# Altium PCB PCBA-2075-01.PcbDoc (part 1 of 2) (continued)
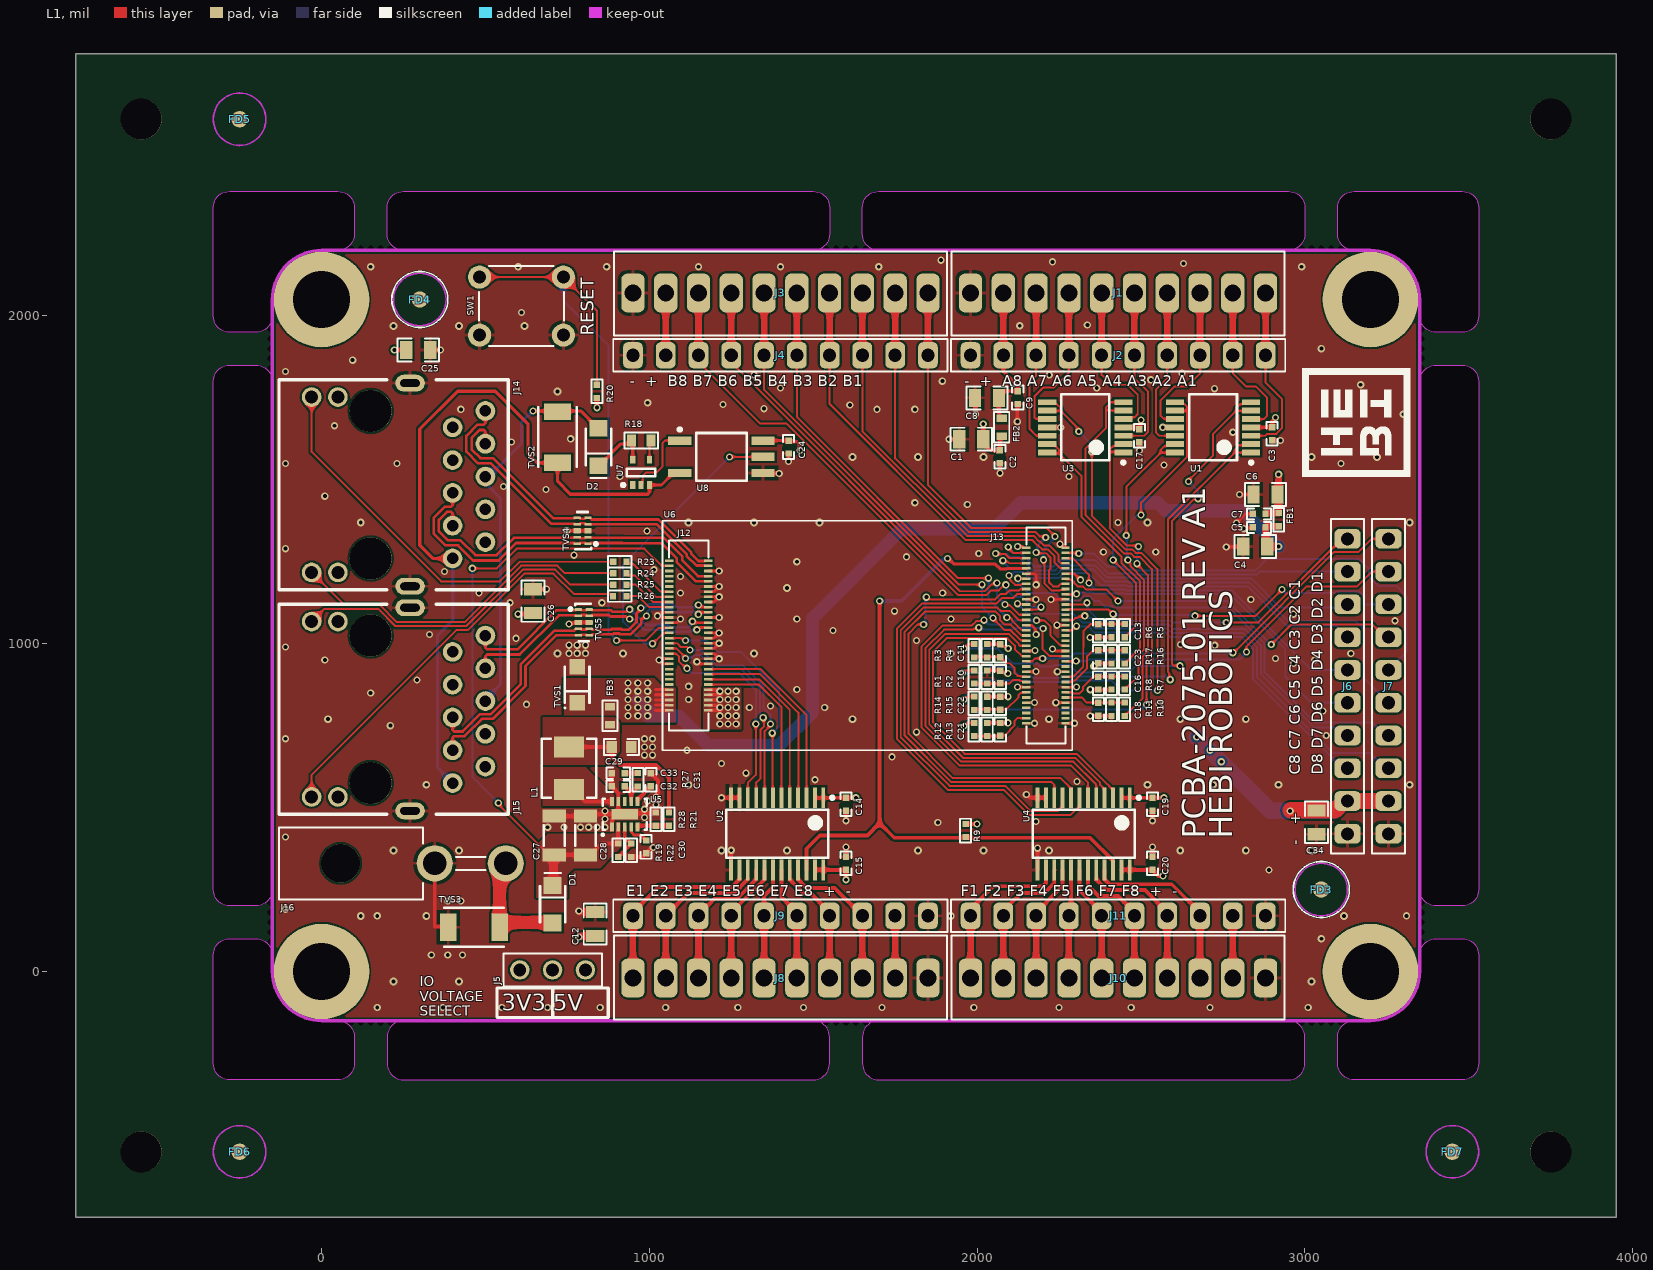
[diagram p0: L1 view]
## Components (designator, comment, footprint, x,y, rotation, side; value= is the part's Value field where it differs from the comment) (continued)
R9 "R-4.7k-1%-0.063w-0402" R0402 1965,430 r270 top
R10 "R-3.3k-0.1%-0.063w-0402" R0402 2450,800 r90 top
R11 "R-4.7k-0.1%-0.063w-0402" R0402 2410,800 r90 top
R12 "R-3.3k-0.1%-0.063w-0402" R0402 1990.63,738.39 r270 top
R13 "R-4.7k-0.1%-0.063w-0402" R0402 2030.63,738.39 r270 top
R14 "R-3.3k-0.1%-0.063w-0402" R0402 1990.63,818.39 r270 top
R15 "R-4.7k-0.1%-0.063w-0402" R0402 2030.63,818.21 r270 top
R16 "R-3.3k-0.1%-0.063w-0402" R0402 2450,960 r90 top
R17 "R-4.7k-0.1%-0.063w-0402" R0402 2410,960 r90 top
R18 "R-220-1%-0.25w-0603" R0603 975,1620 r180 top
R19 "R-3.3m-1%-0.063w-0402" R0402 905,370 r90 top
R20 "R-10k-1%-0.063w-0402" R0402 840,1770 r270 top
R21 "R-82k-1%-0.063w-0402" R0402 1060,465 r90 top
R22 "R-470k-1%-0.063w-0402" R0402 945,370 r270 top
R23 "R-470-1%-0.063w-0402" R0402 910,1250 r180 top
R24 "R-470-1%-0.063w-0402" R0402 910,1215 r180 top
R25 "R-470-1%-0.063w-0402" R0402 910,1180 r180 top
R26 "R-470-1%-0.063w-0402" R0402 909.82,1145 r180 top
R27 "R-11.8k-1%-0.063w-0402" R0402 965,585 r270 top
R28 "R-18k-1%-0.063w-0402" R0402 1020,465 r270 top
ST1 "9774030960R" 9774030960R 3200,2050 r180 bottom
ST2 "9774030960R" 9774030960R 0,0 r180 bottom
ST3 "9774030960R" 9774030960R 3200,0 r180 bottom
ST4 "9774030960R" 9774030960R 0,2050 r180 bottom
SW1 "222ADVBA" 222ADVBA 610,2030 r0 top locked
TVS1 "PTVS5V0S1UR,115" SOD-123W_NXP 780,875 r90 top
TVS2 "SMAJ51CA" SMA_BI_BOURNS 720,1630 r270 top
TVS3 "SMAJ58CA" SMA_BI_BOURNS 465,135 r0 top
TVS4 "DT1140-04LP-7" USON10_TI 796.44,1344.69 r180 top
TVS5 "DT1140-04LP-7" USON10_TI 800,1065 r0 top
U1 "TSV324IPT" TSSOP14_ST 2720,1660 r180 top
U2 "SN74LVC8T245PWR" PW_TSSOP_24_TI 1390,420 r270 top
U3 "TSV324IPT" TSSOP14_ST 2330,1660 r180 top
U4 "SN74LVC8T245PWR" PW_TSSOP_24_TI 2325,420 r270 top
U5 "MAX17502GATB+" 10_TDFN_MAXIM 925,480 r90 top
U6 "IO-MICRO" IO-MICRO-Footprint-1 1665,1025 r0 top locked
U7 "PSSI2021SAY,115" PSSI2021SAY,115 975,1522.5 r90 top
U8 "ACPL-M21L-500E" SOT125P700X260-5N 1220,1570 r0 top

## Footprints (in the part's own frame and the unit in brackets; to place one, negate y for a bottom-side part, rotate by r counter-clockwise, add the part's x,y. Pads: shape width x height; smd on the part's side, far side on the other; paste and mask are expansions set on the pad)
10_TDFN_MAXIM [mm] "10 TDFN from Maxim MAX17502"
  rect 0.7x0.3 smd paste-0.025: 1(-0.99,1) 2(-0.99,0.5) 3(-0.99,0) 4(-0.99,-0.5) 5(-0.99,-1) 6(0.99,-1) 7(0.99,-0.5) 8(0.99,0) 9(0.99,0.5) 10(0.99,1)
  rect 0.8x2.08 smd paste-0.025: 11(0,0)
  silkscreen extent -1.65,-1.7 1.2,1.75, body extent -1.05,-1.55 1.05,1.55, height 0.8
39-30-1020 [mm] "Molex Minifit Jr 2 pin socket, right angle"
  round 3 hole 3 unplated: 0(0,-6.4)
  round 2.8 hole 1.8: 1(0,0.9) 2(0,6.4)
  silkscreen extent -2.79,-11.18 2.79,4.83, body extent -2.7,-13.01 3.1,6.93, height 11.4
222ADVBA [mm] "222ADVBA from CTS"
  round 1.8 hole 1: 1(-3.25,2.25) 1(3.25,2.25) 2(-3.25,-2.25) 2(3.25,-2.25)
  silkscreen extent -3.3,-3.1 3.3,3.1, body extent -3.25,-3 3.25,3, height 4.3
9774030960R [mm] "3mm SMD Spacer from Wurth"
  round 7.4 hole 4.4: 1(0,0)
  silkscreen extent -3.9,-3.9 3.9,3.9, body extent -3,-3 2.99,3, height 3.03
ARJM11C7-114-BA-EW2-Footprint-1 [mil]
  round 128 hole 128 unplated: 0(-225,0) 0(225,0)
  round 60 hole 35: 1(225,250) 2(175,350) 3(125,250) 4(75,350) 5(25,250) 6(-25,350) 7(-75,250) 8(-125,350) 9(-175,250) 10(-225,350)
  round 60 hole 40: L1(-267.5,-100) L2(-267.5,-180) L3(267.5,-100) L4(267.5,-180)
  oval 51.18x90.55 hole 23.62 slot 59.06 at 90 deg: SHIELD(-310,120) SHIELD(310,120)
  silkscreen extent -320,-280 320,420, body extent -372,-426 372,426, height 604
C0402 [mm] "Generic 0402 Capacitor"
  rect 0.5x0.5 smd: 1(-0.5,0) 2(0.5,0)
  silkscreen extent -0.91,-0.43 0.91,0.43, body extent -0.5,-0.25 0.5,0.25, height 0.55
C0603 [mm] "Generic 0603 Capacitor"
  rect 0.8x0.9 smd: 1(-0.75,0) 2(0.75,0)
  silkscreen extent -1.35,-0.64 1.35,0.64, body extent -0.8,-0.4 0.8,0.4, height 0.9
C0805 [mm] "Generic 0805 Capacitor"
  rect 0.95x1.4 smd: 1(-0.925,0) 2(0.925,0)
  silkscreen extent -1.6,-0.89 1.6,0.89, body extent -1,-0.63 1,0.63, height 1.4
C1206 [mm] "Generic 1206 Capacitor"
  rect 1x1.8 smd: 1(-1.5,0) 2(1.5,0)
  silkscreen extent -0.77,-0.8 0.77,0.8, body extent -1.6,-0.8 1.6,0.8, height 1.8
DF40HC(3.0)-60DS-0.4V(51) [mm] "DF40HC(3.0)-60DS-0.4V(51)"
  rect 0.203x0.65 smd paste+0 mask+0: 1(5.8,-1.515) 2(5.8,1.515) 3(5.4,-1.515) 4(5.4,1.515) 5(5,-1.515) 6(5,1.515) 7(4.6,-1.515) 8(4.6,1.515) 9(4.2,-1.515) 10(4.2,1.515) 11(3.8,-1.515) 12(3.8,1.515) 13(3.4,-1.515) 14(3.4,1.515) 15(3,-1.515) 16(3,1.515) 17(2.6,-1.515) 18(2.6,1.515) 19(2.2,-1.515) 20(2.2,1.515) 21(1.8,-1.515) 22(1.8,1.515) 23(1.4,-1.515) 24(1.4,1.515) 25(1,-1.515) 26(1,1.515) 27(0.6,-1.515) 28(0.6,1.515) 29(0.2,-1.515) 30(0.2,1.515) 31(-0.2,-1.515) 32(-0.2,1.515) 33(-0.6,-1.515) 34(-0.6,1.515) 35(-1,-1.515) 36(-1,1.515) 37(-1.4,-1.515) 38(-1.4,1.515) 39(-1.8,-1.515) 40(-1.8,1.515) 41(-2.2,-1.515) 42(-2.2,1.515) 43(-2.6,-1.515) 44(-2.6,1.515) 45(-3,-1.515) 46(-3,1.515) 47(-3.4,-1.515) 48(-3.4,1.515) 49(-3.8,-1.515) 50(-3.8,1.515) 51(-4.2,-1.515) 52(-4.2,1.515) 53(-4.6,-1.515) 54(-4.6,1.515) 55(-5,-1.515) 56(-5,1.515) 57(-5.4,-1.515) 58(-5.4,1.515) 59(-5.8,-1.515) 60(-5.8,1.515)
  silkscreen extent -7.38,-1.52 7.38,1.52, body extent -7.3,-1.69 7.3,1.69, height 2.9
DF40HC(3.0)-70DS-0.4V(51) [mm] "3mm height DF40, 70pin Hirose"
  rect 0.203x0.65 smd paste+0 mask+0: 1(6.8,-1.515) 2(6.8,1.515) 3(6.4,-1.515) 4(6.4,1.515) 5(6,-1.515) 6(6,1.515) 7(5.6,-1.515) 8(5.6,1.515) 9(5.2,-1.515) 10(5.2,1.515) 11(4.8,-1.515) 12(4.8,1.515) 13(4.4,-1.515) 14(4.4,1.515) 15(4,-1.515) 16(4,1.515) 17(3.6,-1.515) 18(3.6,1.515) 19(3.2,-1.515) 20(3.2,1.515) 21(2.8,-1.515) 22(2.8,1.515) 23(2.4,-1.515) 24(2.4,1.515) 25(2,-1.515) 26(2,1.515) 27(1.6,-1.515) 28(1.6,1.515) 29(1.2,-1.515) 30(1.2,1.515) 31(0.8,-1.515) 32(0.8,1.515) 33(0.4,-1.515) 34(0.4,1.515) 35(0,-1.515) 36(0,1.515) 37(-0.4,-1.515) 38(-0.4,1.515) 39(-0.8,-1.515) 40(-0.8,1.515) 41(-1.2,-1.515) 42(-1.2,1.515) 43(-1.6,-1.515) 44(-1.6,1.515) 45(-2,-1.515) 46(-2,1.515) 47(-2.4,-1.515) 48(-2.4,1.515) 49(-2.8,-1.515) 50(-2.8,1.515) 51(-3.2,-1.515) 52(-3.2,1.515) 53(-3.6,-1.515) 54(-3.6,1.515) 55(-4,-1.515) 56(-4,1.515) 57(-4.4,-1.515) 58(-4.4,1.515) 59(-4.8,-1.515) 60(-4.8,1.515) 61(-5.2,-1.515) 62(-5.2,1.515) 63(-5.6,-1.515) 64(-5.6,1.515) 65(-6,-1.515) 66(-6,1.515) 67(-6.4,-1.515) 68(-6.4,1.515) 69(-6.8,-1.515) 70(-6.8,1.515)
  silkscreen extent -8.38,-1.52 8.38,1.52, body extent -8.3,-1.69 8.3,1.69, height 2.9
FB0402 [mm] "Chip Ferrite Bead 2-Leads, Body 1.0x0.5mm, based on Panasonic datasheet"
  rect 0.475x0.5 smd: 1(-0.513,0) 2(0.512,0)
  silkscreen extent -0.9,-0.4 0.9,0.4, body extent -0.5,-0.28 0.5,0.28, height 0.55
FB0603 [mm] "Based on TDK datasheet for MMZ Series"
  rect 0.6x0.8 smd: 1(-0.7,0) 2(0.7,0)
  silkscreen extent -1.19,-0.58 1.19,0.58, body extent -0.8,-0.4 0.8,0.4, height 0.8
IO-MICRO-Footprint-1 [mil]
  rect 4x4 smd paste-1000 mask+0: A1(604.65,267.72) A2(485.35,267.72) A3(604.65,251.97) A4(485.35,251.97) A5(604.65,236.22) A6(485.35,236.22) A7(604.65,220.47) A8(485.35,220.47) A9(604.65,204.72) A10(485.35,204.72) A11(604.65,188.98) A12(485.35,188.98) A13(604.65,173.23) A14(485.35,173.23) A15(604.65,157.48) A16(485.35,157.48) A17(604.65,141.73) A18(485.35,141.73) A19(604.65,125.98) A20(485.35,125.98) A21(604.65,110.24) A22(485.35,110.24) A23(604.65,94.49) A24(485.35,94.49) A25(604.65,78.74) A26(485.35,78.74) A27(604.65,62.99) A28(485.35,62.99) A29(604.65,47.24) A30(485.35,47.24) A31(604.65,31.5) A32(485.35,31.5) A33(604.65,15.75) A34(485.35,15.75) A35(604.65,0) A36(485.35,0) A37(604.65,-15.75) A38(485.35,-15.75) A39(604.65,-31.5) A40(485.35,-31.5) A41(604.65,-47.24) A42(485.35,-47.24) A43(604.65,-62.99) A44(485.35,-62.99) A45(604.65,-78.74) A46(485.35,-78.74) A47(604.65,-94.49) A48(485.35,-94.49) A49(604.65,-110.24) A50(485.35,-110.24) A51(604.65,-125.98) A52(485.35,-125.98) A53(604.65,-141.73) A54(485.35,-141.73) A55(604.65,-157.48) A56(485.35,-157.48) A57(604.65,-173.23) A58(485.35,-173.23) A59(604.65,-188.98) A60(485.35,-188.98) A61(604.65,-204.72) A62(485.35,-204.72) A63(604.65,-220.47) A64(485.35,-220.47) A65(604.65,-236.22) A66(485.35,-236.22) A67(604.65,-251.97) A68(485.35,-251.97) A69(604.65,-267.72) A70(485.35,-267.72) B1(-485.35,228.35) B2(-604.65,228.35) B3(-485.35,212.6) B4(-604.65,212.6) B5(-485.35,196.85) B6(-604.65,196.85) B7(-485.35,181.1) B8(-604.65,181.1) B9(-485.35,165.35) B10(-604.65,165.35) B11(-485.35,149.61) B12(-604.65,149.61) B13(-485.35,133.86) B14(-604.65,133.86) B15(-485.35,118.11) B16(-604.65,118.11) B17(-485.35,102.36) B18(-604.65,102.36) B19(-485.35,86.61) B20(-604.65,86.61) B21(-485.35,70.87) B22(-604.65,70.87) B23(-485.35,55.12) B24(-604.65,55.12) B25(-485.35,39.37) B26(-604.65,39.37) B27(-485.35,23.62) B28(-604.65,23.62) B29(-485.35,7.87) B30(-604.65,7.87) B31(-485.35,-7.87) B32(-604.65,-7.87) B33(-485.35,-23.62) B34(-604.65,-23.62) B35(-485.35,-39.37) B36(-604.65,-39.37) B37(-485.35,-55.12) B38(-604.65,-55.12) B39(-485.35,-70.87) B40(-604.65,-70.87) B41(-485.35,-86.61) B42(-604.65,-86.61) B43(-485.35,-102.36) B44(-604.65,-102.36) B45(-485.35,-118.11) B46(-604.65,-118.11) B47(-485.35,-133.86) B48(-604.65,-133.86) B49(-485.35,-149.61) B50(-604.65,-149.61) B51(-485.35,-165.35) B52(-604.65,-165.35) B53(-485.35,-181.1) B54(-604.65,-181.1) B55(-485.35,-196.85) B56(-604.65,-196.85) B57(-485.35,-212.6) B58(-604.65,-212.6) B59(-485.35,-228.35) B60(-604.65,-228.35)
  silkscreen extent -605,-330 605,330, body extent -625,-350 625,350, height 212
M20-9990345 [mil] "Harwin 3 pin header"
  round 59 hole 39: 1(-100,0) 2(0,0) 3(100,0)
  silkscreen extent -150,-50 150,50, body extent -150,-50 150,50, height 341
MPI4040R4 [mm] "High Frequency, High Current Miniature Power Inductor"
  rect 2.3x1.65 smd: 1(0,-1.65) 2(0,1.65)
  silkscreen extent -2.1,-2.3 2.1,2.3, body extent -2.15,-2.35 2.15,2.35, height 2
"New footprint 1" [mil]
  round 50 smd paste-100 mask+50: F(0,0)
  L1 keep-out circle w5: c0,0 r80
  silkscreen extent -86,-85 86,85
OSTVN10A150 [mm] "10 pin 0.1 inch pitch screw terminal from on shore tech"
  rrect50% 1.8x3 hole 1.3: 1(-11.43,0) 2(-8.89,0) 3(-6.35,0) 4(-3.81,0) 5(-1.27,0) 6(1.27,0) 7(3.81,0) 8(6.35,0) 9(8.89,0) 10(11.43,0)
  silkscreen extent -12.9,-3.2 12.9,3.3, body extent -12.9,-3.22 12.9,3.28, height 8.5
PPTC101LFBN-RC [mil] "PPTC101LFBN-RC 10 pin 100 mil header from sullins"
  rrect50% 60x80 hole 40: 1(-450,0) 2(-350,0) 3(-250,0) 4(-150,0) 5(-50,0) 6(50,0) 7(150,0) 8(250,0) 9(350,0) 10(450,0)
  silkscreen extent -510,-50 510,50, body extent -510,-50 510,50, height 335
PSSI2021SAY,115 [mm] "SOT23, 5-Leads, Body 2.00x2.10mm, Pitch 0.65mm, IPC High Density"
  rect 0.6x0.4 smd: 1(-0.975,0.65) 2(-0.975,0) 3(-0.975,-0.65) 4(0.975,-0.65) 5(0.975,0.65)
  silkscreen extent -1.1,-1.1 0.3,1.52, body extent -1.15,-1.1 1.15,1.1, height 1.1
PW_TSSOP_24_TI [mm] "24 pin TSSOP from TI SN74LVC8T245PW"
  rect 1.6x0.3 smd: 1(-2.8,3.575) 2(-2.8,2.925) 3(-2.8,2.275) 4(-2.8,1.625) 5(-2.8,0.975) 6(-2.8,0.325) 7(-2.8,-0.325) 8(-2.8,-0.975) 9(-2.8,-1.625) 10(-2.8,-2.275) 11(-2.8,-2.925) 12(-2.8,-3.575) 13(2.8,-3.575) 14(2.8,-2.925) 15(2.8,-2.275) 16(2.8,-1.625) 17(2.8,-0.975) 18(2.8,-0.325) 19(2.8,0.325) 20(2.8,0.975) 21(2.8,1.625) 22(2.8,2.275) 23(2.8,2.925) 24(2.8,3.575)
  silkscreen extent -2.92,-3.95 1.85,4.4, body extent -2.25,-3.95 2.25,3.95, height 1.2
R0402 [mm] "Generic 0402 Resistor"
  rect 0.475x0.5 smd: 1(-0.513,0) 2(0.512,0)
  silkscreen extent -0.91,-0.43 0.91,0.43, body extent -0.5,-0.25 0.5,0.25, height 0.4
R0603 [mm] "Generic 0603 resistor"
  rect 0.7x0.9 smd: 1(-0.75,0) 2(0.75,0)
  silkscreen extent -1.3,-0.64 1.3,0.64, body extent -0.8,-0.4 0.8,0.4, height 0.55
SMA_BI_BOURNS [mm] "Bidirectional TVS BOURNS, SMA DO-214AC from SMAJ"
  rect 1.27x2.1 smd: A(1.985,0) C(-1.985,0)
  silkscreen extent -2.3,-1.5 2.3,1.5, body extent -2.28,-1.46 2.28,1.46, height 2.62
SOD123F_ST [mm] "SOD123Flat from ST  STPS2H100ZFY"
  rect 1.3x1.4 smd: A(1.45,0) C(-1.45,0)
  silkscreen extent -2.41,-0.98 1.4,0.98, body extent -1.75,-0.9 1.75,0.9, height 1.1
SOD-123W_NXP [mm] "1.7x2.6mm body flat bottomed diode package footprint based on http://www.nxp.com/documents/data_sheet/PTVSXS1UR_SER.pdf"
  rect 1.2x1.2 smd: A(1.4,0) C(-1.4,0)
  silkscreen extent -1.85,-0.95 1.4,1, body extent -1.4,-0.95 1.4,0.95, height 1.1
SOT125P700X260-5N [mm] "SOT23, 5-Leads, Body 3.60x7.00mm, Pitch 1.25mm, IPC Medium Density"
  rect 1.8x0.64 smd: 1(-3.23,1.25) 3(-3.23,-1.25) 4(3.23,-1.25) 5(3.23,0) 6(3.23,1.25)
  silkscreen extent -3.35,-1.85 1.95,2.24, body extent -3.6,-1.85 3.6,1.85, height 2.6
TSSOP14_ST [mm] "TSSOP 14 pin from ST TSV324"
  rect 1.4x0.45 smd: 1(-2.95,1.95) 2(-2.95,1.3) 3(-2.95,0.65) 4(-2.95,0) 5(-2.95,-0.65) 6(-2.95,-1.3) 7(-2.95,-1.95) 8(2.95,-1.95) 9(2.95,-1.3) 10(2.95,-0.65) 11(2.95,0) 12(2.95,0.65) 13(2.95,1.3) 14(2.95,1.95)
  silkscreen extent -3.08,-2.55 1.85,2.85, body extent -2.25,-2.55 2.25,2.55, height 1.2
USON10_TI [mm] "From TI TPD4E05U06"
  rrect50% 0.565x0.2 smd mask+0.05: 1(-0.417,1) 2(-0.417,0.5) 4(-0.417,-0.5) 5(-0.417,-1) 6(0.417,-1) 7(0.417,-0.5) 9(0.417,0.5) 10(0.417,1)
  rrect25% 0.565x0.4 smd paste-0.2 mask+0.05: 3(-0.417,0) 8(0.417,0)
  silkscreen extent -1.13,-1.45 0.55,1.45, body extent -0.55,-1.3 0.55,1.3, height 0.56

## Part data
C1 C4 C6 C8 C12 C25 C26 C34: library part CMP-00042-6, "Capacitor Ceramic 10uF 25V X5R 10% SMD 0805", Capacitance=10uF, Operating Temperature="-55°C ~ 85°C", Package / Case=0805, Temperature Coefficient=X5R, Tolerance=10%, Voltage - Rated=25V
C2 C3 C5 C7 C9 C14 C15 C17 C19 C20 C24: library part CMP-00040-11, "Capacitor Ceramic 0.1uF 25V X7R 10% SMD 0402", Capacitance=0.1uF, Operating Temperature="-55°C ~ 125°C", Package / Case=0402, Temperature Coefficient=X7R, Tolerance=10%, Voltage - Rated=25V
C10 C11 C13 C16 C18 C21 C22 C23 C33: library part CMP-00041-8, "Capacitor Ceramic 10000pF 50V X7R 10% SMD 0402", Capacitance=10000pF, Operating Temperature="-55°C ~ 125°C", Package / Case=0402, Temperature Coefficient=X7R, Tolerance=10%, Voltage - Rated=50V
C27 C28: library part C-3.3uf-X7S-100V-10%-1206-5, "Capacitor Ceramic 3.3uF 100V X7S 10% SMD 1206", Capacitance=3.3uF, Operating Temperature="-55°C ~ 125°C", Package / Case=1206, Temperature Coefficient=X7S, Tolerance=±10%, Voltage - Rated=100V
C29: library part CMP-00102-2, "Capacitor Ceramic 10uF 16V X5R 10% SMD 0603", Capacitance=10uF, Operating Temperature="-55°C ~ 85°C", Package / Case=0603, Temperature Coefficient=X5R, Tolerance=10%, Voltage - Rated=16V
C30 C31: library part C-1uf-X5R-25V-10%-0402-8, "Capacitor Ceramic 1uF 25V X5R 10% SMD 0402", Capacitance=1uF, Operating Temperature="-55°C ~ 85°C", Package / Case=0402, Temperature Coefficient=X5R, Tolerance=±10%, Voltage - Rated=25V
C32: library part CMP-00709-5, "Capacitor Ceramic 47pF 50V C0G, NP0 5% SMD 0402", Capacitance=47pF, Operating Temperature="-55°C ~ 125°C", Package / Case=0402, Temperature Coefficient="C0G, NP0", Tolerance=±5%, Voltage - Rated=50V
D1 D2: library part CMP-698-0010-3, "DIODE SCHOTTKY 100V 2A SOD123F", Capacitance @ Vr, F=-, Current - Average Rectified (Io)=2A, Operating Temperature - Junction="-40°C ~ 175°C", Package / Case=SOD-123F, Category="Discrete Semiconductor Products", ComponentLink1Description=Datasheet, ComponentLink1URL=http://www.st.com/content/ccc/resource/technical/document/datasheet/group3/e0/1c/dc/bb/11/47/42/2a/DM00321023/files/DM00321023.pdf/jcr:content/translations/en.DM00321023.pdf, Diode Type=Schottky, Lead Free Status / RoHS Status="RoHS Compliant", Mounting Type="Surface Mount", Part Status=Active, Speed="Fast Recovery =< 500ns, > 200mA (Io)", Supplier Device Package=SOD-123F
FB1: library part CMP-00233-4, "FERRITE BEAD 2.2 KOHM 0402 1LN", Current Rating (Max)=150mA, DC Resistance (DCR) (Max)="2.2 Ohm", Operating Temperature="-55°C ~ 125°C", Package / Case="0402 (1005 Metric)", Ratings=-, Category=Filters, ComponentLink1Description=Datasheet, ComponentLink1URL=https://product.tdk.com/info/en/catalog/datasheets/beads_commercial_signal_mmz1005-e_en.pdf, Filter Type="Signal Line", Height (Max)="0.022\" (0.55mm)", Lead Free Status / RoHS Status="RoHS Compliant", Mounting Type="Surface Mount", Number of Lines=1, Size / Dimension="0.039\" L x 0.020\" W (1.00mm x 0.50mm)"
FB2: library part CMP-00231-5, "FERRITE CHIP 330 OHM 1.7A 0603", Current Rating=1.7A, DC Resistance (DCR)="80 mOhm Max", Package / Case="0603 (1608 Metric)", Category=Filters, ComponentLink1Description=Datasheet, ComponentLink1URL=http://product.tdk.com/en/catalog/datasheets/beads_automotive_power_mpz_en.pdf, Filter Type=-, Height (Max)="0.037\" (0.95mm)", Lead Free Status / RoHS Status="RoHS Compliant", Mounting Type="Surface Mount", Size / Dimension="0.063\" L x 0.031\" W (1.60mm x 0.80mm)"
FB3: library part CMP-00716-2, "FERRITE BEAD 300 OHM 0603 2A", Case Code (Imperial)=0603, Case Code (Metric)=1608, DC Resistance (DCR)=100mR, Frequency=100MHz, Max Current Rating=2A, Max Operating Temperature=125°C, Min Operating Temperature=-40°C, Package Quantity=1, Case/Package=0603, Contact Plating=Tin,Matte, Core Material=Ferrite, Depth=0.8mm, Height=0.037inch, Impedance=300R, Lead Free="Lead Free", Length=1.6mm, Max DC Current=2A, Mount="Surface Mount", Number of Lines=1, Packaging="Tape and Reel", REACH SVHC=Unknown, RoHS Compliant=Yes, Series=MI, Termination=SMD/SMT, Test Frequency=100MHz, Weight=0.00201oz, Width=0.5mm
FD1 FD2 FD3 FD4: library part CMP-00828-3, "Fiducial with Overlay"
FD5 FD6 FD7 FD8 FD9 FD10: library part CMP-00829-2, "Fiducial without Overlay"
J1 J3 J8 J10: library part CMP-00332-3, "CONN TERM BLOCK 2.54MM 10POS PCB", Color=Green, Current=6A, Manufacturer="On Shore Technology Inc.", Operating Temperature="-30°C ~ 105°C", Voltage=125V, Category="Connectors, Interconnects", Clamp Material - Plating=Brass, ComponentLink1Description=Datasheet, ComponentLink1URL=http://www.on-shore.com/sites/default/files/manuals/ostvnxxa150.pdf, Contact Material - Plating=Brass, Features=-, Housing Material=Thermoplastic, Lead Free Status / RoHS Status="RoHS Compliant", Manufacturer Part Number=OSTVN10A150, Mating Orientation="Horizontal with Board", Mounting Type="Through Hole", Number of Levels=1, Pitch="0.100\" (2.54mm)", Positions Per Level=10, Screw Material - Plating="Steel - Zinc Plated", Screw Thread=M1.6, Torque - Screw="0.15 Nm (1.3 Lb-In)", Wire Gauge="20-30 AWG", Wire Termination="Screw - Rising Cage Clamp"
J2 J4 J6 J7 J9 J11: library part CMP-391-0001-1, "CONN HEADER FEMALE 10POS.1\" TIN", Color=Black, Manufacturer="Sullins Connector Solutions", Category="Connectors, Interconnects", ComponentLink1Description=http://www.sullinscorp.com/drawings/78_P(N)PxCxxxLFBN-RC,_10492-H.pdf, ComponentLink1URL=Datasheet, Connector Type=Header, Contact Finish=Tin, Contact Finish Thickness=-, Contact Type="Female Socket", Fastening Type=-, Features=-, Lead Free Status / RoHS Status="RoHS Compliant", Manufacturer Part Number=PPTC101LFBN-RC, Mounting Type="Through Hole", Number of Positions=10, Number of Positions Loaded=All, Number of Rows=1, Pitch="0.100\" (2.54mm)", Row Spacing=-, Termination=Solder
J5: library part CMP-00314-2, "CONN HEADER VERT 3POS 2.54MM", Color=Black, Manufacturer="Harwin Inc.", Category="Connectors, Interconnects", ComponentLink1Description=Datasheet, ComponentLink1URL=http://cdn.harwin.com/pdfs/M20-999.pdf, Connector Type="Header, Unshrouded, Breakaway", Contact Finish=Gold, Contact Finish Thickness=-, Contact Mating Length="0.240\" (6.10mm)", Contact Type="Male Pin", Fastening Type=-, Features=-, Lead Free Status / RoHS Status="RoHS Compliant", Manufacturer Part Number=M20-9990345, Mounting Type="Through Hole", Number of Positions=3, Number of Positions Loaded=All, Number of Rows=1, Pitch="0.100\" (2.54mm)", Row Spacing=-, Termination=Solder
J12: library part CMP-00492-3, "CONN RCPT 60POS 0.4MM SMD GOLD", Case/Package=Metal, Package Quantity=3000, Connector Type=Receptacle, Contact Material=Bronze, Contact Plating=Gold, Gender=Receptacle, Manufacturer Part Number=DF40HC(3.0)-60DS-0.4V(51), Mated Stacking Heights=3mm, Mount="Surface Mount", Number of Contacts=60, Number of Positions=60, Number of Rows=2, Packaging="Tape and Reel", Pitch=0.016inch, REACH SVHC="No SVHC", Stack Height=3mm, Termination=SMD/SMT
J13: library part CMP-00491-1, "CONN RCPT 70POS 0.4MM SMD GOLD", Manufacturer=Hirose, ComponentLink1Description=Datasheet, ComponentLink1URL=https://www.hirose.com/product/document?clcode=CL0684-4003-3-51&productname=DF40C-60DP-0.4V(51)&series=DF40&documenttype=Catalog&lang=en&documentid=D31649_en, Lead Free Status / RoHS Status="RoHS Compliant", Manufacturer Part Number=DF40HC(3.0)-70DS-0.4V(51)
J14 J15: library part CMP-00104-1, "1 Port RJ45 Magjack Connector Through Hole 10/100 Base-T, AutoMDIX, Power over Ethernet (PoE)", Color=Green,Yellow, Max Operating Temperature=85°C, Min Operating Temperature=-40°C, Connector Type=RJ45, Contact Plating=Gold, Direction=Up, Mount="Through Hole", Number of Cores per Jack=4, Number of Ports=1, Number of Rows=1, Packaging=Tray, Shielding=Shielded, Termination=Solder
J16: library part CMP-00288-1, "CONN HEADER 2POS 4.2MM R/A TIN", Color=Natural, Manufacturer="Molex Inc", Category="Connectors, Interconnects", ComponentLink1Description=Datasheet, ComponentLink1URL=http://www.molex.com/pdm_docs/sd/039301020_sd.pdf, Connector Type="Header, Shrouded", Contact Finish=Tin, Contact Finish Thickness="100µin (2.54µm)", Contact Mating Length=-, Contact Type="Male Pin", Fastening Type="Locking Ramp", Features="Board Lock", Lead Free Status / RoHS Status="RoHS Compliant", Manufacturer Part Number=39-30-1020, Mounting Type="Through Hole, Right Angle", Number of Positions=2, Number of Positions Loaded=All, Number of Rows=2, Pitch=-, Row Spacing="0.165\" (4.20mm)", Termination=Solder
L1: library part CMP-00364-3, "FIXED IND 22UH 1.3A 316 MOHM SMD", Current - Saturation=1.8A, DC Resistance (DCR)="316 mOhm", Frequency - Self Resonant=-, Operating Temperature="-55°C ~ 125°C", Package / Case=Nonstandard, Ratings=AEC-Q200, Tolerance=±20%, Category="Inductors, Coils, Chokes", ComponentLink1Description=Datasheet, ComponentLink1URL=https://www.ecsxtal.com/store/pdf/ECS-MPI4040.pdf, Features=-, Height - Seated (Max)="0.079\" (2.00mm)", Lead Free Status / RoHS Status="RoHS Compliant", Material - Core=-, Mounting Type="Surface Mount", Part Status=Active, Q @ Freq=-, Shielding=Shielded, Size / Dimension="0.175\" L x 0.160\" W (4.45mm x 4.06mm)", Supplier Device Package=-, Type=-
R1 R3 R5 R7 R10 R12 R14 R16: library part CMP-00138-3, "Resistor 0402 3.3k Ohm 0.1% 1-16 Watt", Package / Case=0402, Power="0.063W, 1/16W", Resistance=3.3k, Tolerance (%)=±0.1%, Part Name=R-3.3k-0.1%-0.063w-0402
R2 R4 R6 R8 R11 R13 R15 R17: library part CMP-00137-3, "Resistor 0402 4.7k Ohm 0.1% 1-16 Watt", Package / Case=0402, Power="0.063W, 1/16W", Resistance=4.7k, Tolerance (%)=±0.1%, Part Name=R-4.7k-0.1%-0.063w-0402
R9: library part CMP-00107-4, "Resistor 0402 4.7k Ohm 1% 1-16 Watt", Package / Case=0402, Power="0.063W, 1/16W", Resistance=4.7k, Tolerance (%)=±1%, Part Name=R-4.7k-1%-0.063w-0402
R18: library part CMP-00175-3, "Resistor 0603 220 Ohm 1% 1-4 Watt", Package / Case=0603, Power="0.25W, 1/4W", Resistance=220, Tolerance (%)=±1%, Part Name=R-220-1%-0.25w-0603
R19: library part CMP-00141-4, "Resistor 0402 3.3m Ohm 1% 1-16 Watt", Package / Case=0402, Power="0.063W, 1/16W", Resistance=3.3M, Tolerance (%)=±1%, Part Name=R-3.3m-1%-0.063w-0402
R20: library part CMP-00015-10, "Resistor 0402 10k Ohm 1% 1-16 Watt", Package=0402, Power="0.063W, 1/16W", Resistance=10k, Tolerance=1%
R21: library part CMP-00708-2, "Resistor 0402 82k Ohm 1% 1-16 Watt", Package / Case=0402, Power="0.063W, 1/16W", Resistance=82k, Tolerance (%)=±1%, Part Name=R-82k-1%-0.063w-0402
R22: library part CMP-00804-1, "Resistor 0402 470k Ohm 1% 1-16 Watt", Package=0402, Power="0.063W, 1/16W", Resistance=470k, Tolerance=1%
R23 R24 R25 R26: library part CMP-00097-2, "Resistor 0402 470 Ohm 1% 1-16 Watt", Package=0402, Power="0.063W, 1/16W", Resistance=470, Tolerance=1%
R27: library part CMP-00120-3, "Resistor 0402 11.8k Ohm 1% 1-16 Watt", Package / Case=0402, Power="0.063W, 1/16W", Resistance=11.8k, Tolerance (%)=±1%, Part Name=R-11.8k-1%-0.063w-0402
R28: library part CMP-00618-2, "Resistor 0402 18k Ohm 1% 1-16 Watt", Package=0402, Power="0.063W, 1/16W", Resistance=18k, Tolerance=1%
ST1 ST2 ST3 ST4: library part CMP-504-0002-2, "ROUND SPACER M3.3 STEEL 3MM", Color=-, Manufacturer="Wurth Electronics Inc", Between Board Height="0.118\" (3.00mm)", Category="Hardware, Fasteners, Accessories", ComponentLink1Description=Datasheet, ComponentLink1URL=http://katalog.we-online.de/em/datasheet/9774030960R.pdf, Diameter - Inside="0.130\" (3.30mm)", Diameter - Outside="0.236\" (6.00mm)", Features="Surface Mount", Gender=-, Lead Free Status / RoHS Status="RoHS Compliant", Length - Overall="0.173\" (4.39mm)", Manufacturer Part Number=9774030960R, Material=Steel, Plating=Tin, Screw, Thread Size=M3.3, Threaded/Unthreaded=Unthreaded, Type="Round Spacer", Weight=-
SW1: library part CMP-00538-1, "Tactile Switch SPST-NO Top Actuated Through Hole", Manufacturer=CTS, Max Operating Temperature=85°C, Min Operating Temperature=-40°C, Operating Force=160gf, Actuator Type=Standard, ComponentLink1Description=Datasheet, ComponentLink1URL=https://www.ctscorp.com/wp-content/uploads/222A.pdf, Illumination Type=Non-Illuminated, Lead Free Status / RoHS Status="RoHS Compliant", Manufacturer Part Number=222ADVBA, Mechanical Life=1000000Cycles, Mount="Through Hole", Switch Function=Off-Mom, Switch Travel=0.25mm, Termination="PC Pin", Throw Configuration=SPST
TVS1: library part CMP-00453-3, "TVS DIODE 5VWM 9.2VC SOD123W", Capacitance @ Frequency=-, Current - Peak Pulse (10/1000µs)=43.5A, Operating Temperature="-55°C ~ 150°C (TA)", Package / Case=SOD-123W, Power - Peak Pulse=400W, Power Line Protection=No, Supplier Device Package=SOD123W, Voltage - Breakdown (Min)=6.4V, Voltage - Clamping (Max) @ Ipp=9.2V, Voltage - Reverse Standoff (Typ)=5V, Applications=Automotive, Bidirectional Channels=-, Category="Circuit Protection", ComponentLink1Description=Datasheet, ComponentLink1URL=http://www.nxp.com/documents/data_sheet/PTVSXS1UR_SER.pdf, Lead Free Status / RoHS Status="RoHS Compliant", Mounting Type="Surface Mount", Type=Zener, Unidirectional Channels=1
TVS2: library part CMP-00457-3, "TVS DIODE 51VWM 82.4VC DO214AC", Capacitance @ Frequency=-, Current - Peak Pulse (10/1000µs)=4.9A, Operating Temperature="-55°C ~ 150°C (TJ)", Package / Case="DO-214AC, SMA", Power - Peak Pulse=400W, Power Line Protection=No, Supplier Device Package="SMA (DO-214AC)", Voltage - Breakdown (Min)=56.7V, Voltage - Clamping (Max) @ Ipp=82.4V, Voltage - Reverse Standoff (Typ)=51V, Applications="General Purpose", Bidirectional Channels=1, Category="Circuit Protection", ComponentLink1Description=Datasheet, ComponentLink1URL=http://www.bourns.com/docs/Product-Datasheets/SMAJ.pdf, Lead Free Status / RoHS Status="RoHS Compliant", Mounting Type="Surface Mount", Packaging="Cut Tape (CT)", Part Status=Active, Type=Zener
TVS3: library part CMP-00443-3, "TVS DIODE 58VWM 93.6VC SMA", Capacitance @ Frequency=-, Current - Peak Pulse (10/1000µs)=4.3A, Operating Temperature="-55°C ~ 150°C (TJ)", Package / Case="DO-214AC, SMA", Power - Peak Pulse=400W, Power Line Protection=No, Supplier Device Package="SMA (DO-214AC)", Voltage - Breakdown (Min)=64.4V, Voltage - Clamping (Max) @ Ipp=93.6V, Voltage - Reverse Standoff (Typ)=58V, Applications="General Purpose", Bidirectional Channels=1, Category="Circuit Protection", ComponentLink1Description=Datasheet, ComponentLink1URL=http://www.bourns.com/data/global/pdfs/SMAJ.pdf, Lead Free Status / RoHS Status="RoHS Compliant", Mounting Type="Surface Mount", Packaging="Cut Tape (CT)", Part Status=Active, Type=Zener, Unidirectional Channels=-
TVS4 TVS5: library part CMP-00675-5, "TVS DIODE 5.5V 10V U-DFN2510-10", Case/Package=DFN, Clamping Voltage=10V, Max Operating Temperature=85°C, Max Reverse Leakage Current=500nA, Min Breakdown Voltage=6V, Min Operating Temperature=-55°C, Package Quantity=1, Peak Pulse Current=6A, Peak Pulse Power=350mW, Power Line Protection=Yes, Reverse Standoff Voltage=5.5V, Test Current=1mA, ComponentLink1Description=Datasheet, ComponentLink1URL=https://www.diodes.com/assets/Datasheets/DT1140-04LP.pdf, Direction=Unidirectional, ESD Protection=Yes, Height=0.555mm, Length=2.58mm, Mount="Surface Mount", Number of Bidirectional Channels=4, Number of Pins=10, Packaging="Tape and Reel", Radiation Hardening=No, RoHS Compliant=Yes, Width=1.075mm
U1 U3: library part CMP-736-0002-1, "IC OPAMP GP 1.4MHZ RRO 14TSSOP", Current - Input Bias=70nA, Current - Output / Channel=80mA, Current - Supply=500µA, Manufacturer=STMicroelectronics, Operating Temperature="-40°C ~ 125°C", Package / Case="14-TSSOP (0.173\", 4.40mm Width)", Supplier Device Package=14-TSSOP, Voltage - Input Offset=200µV, Voltage - Supply, Single/Dual (±)="2.5 V ~ 6 V", -3db Bandwidth=-, Amplifier Type="General Purpose", Category="Integrated Circuits (ICs)", ComponentLink1Description=Datasheet, ComponentLink1URL=http://www.st.com/web/en/resource/technical/document/datasheet/CD00063292.pdf, Gain Bandwidth Product=1.4MHz, Lead Free Status / RoHS Status="RoHS Compliant", Manufacturer Part Number=TSV324IPT, Mounting Type="Surface Mount", Number of Circuits=4, Output Type=Rail-to-Rail, Slew Rate="0.6 V/µs"
U2 U4: library part CMP-500-0002-2, "IC BUS TRANSCVR 8BIT 24TSSOP", Manufacturer="Texas Instruments", Operating Temperature="-40°C ~ 85°C", Package / Case="24-TSSOP (0.173\", 4.40mm Width)", Supplier Device Package=24-TSSOP, Voltage - Supply="1.65 V ~ 5.5 V", Category="Integrated Circuits (ICs)", ComponentLink1Description=Datasheet, ComponentLink1URL=http://www.ti.com/lit/ds/symlink/sn74lvc8t245.pdf, Data Rate=-, Differential - Input:Output=No/No, Input Type=Logic, Lead Free Status / RoHS Status="RoHS Compliant", Logic Function="Translator, Bidirectional, 3-State", Manufacturer Part Number=SN74LVC8T245PWR, Mounting Type="Surface Mount", Number of Bits=8, Number of Channels=1, Number of Outputs/Channel=8, Output Type=Logic, Propagation Delay (Max)=4.2ns
U5: library part CMP-452-0020-4, "Switching Voltage Regulators 60V 1A 600kHz Synch Step-Down Regulator", Max Input Voltage=60V, Max Operating Temperature=125°C, Max Output Current=1A, Max Output Voltage=55.2V, Min Input Voltage=4.5V, Min Operating Temperature=-40°C, Min Output Voltage=900mV, Nominal Supply Current=4.75mA, Package Quantity=1, Switching Frequency=600kHz, ComponentLink1Description=Datasheet, ComponentLink1URL=http://datasheets.maximintegrated.com/en/ds/MAX17502.pdf, Efficiency=90%, Height=0.75mm, Length=3.1mm, Min Supply Voltage=4.5V, Number of Outputs=1, Number of Pins=10, Operating Supply Voltage=60V, Output Current=1A, Output Type=Adjustable, Output Voltage=55.2V, Packaging=Rail/Tube, Series=-, Synchronous Rectifier=Yes, Width=2.1mm
U6: library part CMP-00789-8, "IO Micro Composite Component", PartId=1
U7: library part CMP-631-0001-1, "IC CURRENT SOURCE SOT353", Current - Output / Channel="50mA - 15uA", ComponentLink1Description=Datasheet, ComponentLink1URL=https://assets.nexperia.com/documents/data-sheet/PSSI2021SAY.pdf, Manufacturer Part Number=PSSI2021SAY,115
U8: library part CMP-636-0002-2, "OPTOISO 3.75KV PUSH PULL 5SO", Case/Package=SO, Forward Current=2.2mA, Forward Voltage=1.5V, Input Current=6mA, Isolation Voltage=3.75kV, Max Input Current=8mA, Max Operating Temperature=105°C, Max Output Current=10mA, Max Power Dissipation=600mW, Min Operating Temperature=-40°C, Package Quantity=1500, Reverse Breakdown Voltage=5V, Direction=Unidirectional, Fall Time=11ns, Input Type=DC, Mount="Surface Mount", Number of Channels=1, Number of Elements=1, Number of Pins=5, Output Current=10mA, Output Current per Channel=10mA, Output Type=PUSH-PULL, Packaging="Tape and Reel", Power Dissipation=600mW, Propagation Delay=250ns, Radiation Hardening=No, REACH SVHC="No SVHC", Rise Time=11ns, Series=-, Turn-On Delay Time=250ns

## Free pads (board coordinates)
  round 0 hole 20 unplated: 0(-155,90) 0(-155,120) 0(-155,150) 0(-155,180) 0(-155,210) 0(-155,1840) 0(-155,1870) 0(-155,1900) 0(-155,1930) 0(-155,1960) 0(90,-155) 0(90,2205) 0(120,-155) 0(120,2205) 0(150,-155) 0(150,2205) 0(180,-155) 0(180,2205) 0(210,-155) 0(210,2205) 0(1540,-155) 0(1540,2205) 0(1570,-155) 0(1570,2205) 0(1600,-155) 0(1600,2205) 0(1630,-155) 0(1630,2205) 0(1660,-155) 0(1660,2205) 0(2990,-155) 0(2990,2205) 0(3020,-155) 0(3020,2205) 0(3050,-155) 0(3050,2205) 0(3080,-155) 0(3080,2205) 0(3110,-155) 0(3110,2205) 0(3355,90) 0(3355,120) 0(3355,150) 0(3355,180) 0(3355,210) 0(3355,1840) 0(3355,1870) 0(3355,1900) 0(3355,1930) 0(3355,1960)
  round 124.02 hole 125 unplated: H(-550,-550) H(-550,2600) H(3750,-550) H(3750,2600)

## Via types
v1: diameter 22, hole 12, L1 to L4, tented both sides, 352 vias
v2: diameter 24, hole 12, L1 to L4, tented both sides, 48 vias

## Nets (pads, with @x,y where several pads share a name; then routed paths per layer and width w, separated by ;. In a path a pad name is that pad's centre, name@x,y a point inside that pad or via, vN(x,y) a via of type N, cw(c..) or ccw(c..) an arc to the next point about the centre after c; other vN are vias at no path point)
3V3: C14.2 C19.2 C24.1 C25.2 C26.2 C34.2 J5.3 J6.9 J7.9 J12.51 J12.53 J12.55 J12.57 J12.59 J14.4 J14.9 J14.L1 J14.L3 J15.4 J15.9 J15.L1 J15.L3 R9.1 R20.2 U2.1 U2.2 U4.1 U4.2 U6.B51 U6.B53 U6.B55 U6.B57 U6.B59 U8.6 | length 1746.6
  L1 w10: v1(222,1896) C25.2@258.58,1896 ; v1(600,1090) 641.42,1090 C26.2@645,1093.58 ; v1(840,1720) R20.2@840,1749.82 ; J12.59@1180.63,796.65 v1@1219.65,796.65 ; J12.57@1180.63,812.4 v1@1219.65,812.4 ; J12.55@1180.63,828.15 v1@1219.65,828.15 ; J12.53@1180.63,843.9 1219.65,843.9 ; J12.51@1180.63,859.65 v1@1219.65,859.65 ; U8.6@1347.17,1620 1347.32,1619.84 1424.84,1619.84 C24.1@1425,1619.69 1429.69,1615 1429.69,1616.75 1429.84,1616.91 1449.84,1616.91 1457.7,1609.05 1457.7,1592.3 v1(1460,1590) ; U2.2@1505.16,530.24 1505.71,529.69 C14.2@1600,529.69 1600.16,529.84 1629.84,529.84 v1(1630,530) ; R9.1@1965,450.18 1965.09,450.09 1999.91,450.09 v1(2000,450) ; U4.2@2440.16,530.24 2440.71,529.69 C19.2@2535,529.69 2535.16,529.84 2569.84,529.84 v1(2570,530)
  L1 w50: v1@2956.7,491.7 C34.2@3034.72,491.7 ; C34.2@3035,491.42 3091.42,491.42 3115,515 3125,515 J6.9@3130,520 ; J6.9@3120,520 J7.9@3255,520
  L4 w50: v1(2670,715) v1(2710,675) 2895,490 3090,490 3120,520 J7.9@3255,520
  other v1: 2955,490 2745,640 1215,755 1240,755 1265,755 1215,780 1240,780 1265,780 1215,805 1240,805 1265,805 1215,830 1240,830 1265,830 1215,855 1240,855 1265,855
5V: C4.2 C5.1 FB1.1 FB3.2 J5.1 J12.52 J12.54 J12.56 J12.58 J12.60 TVS1.C U6.B52 U6.B54 U6.B56 U6.B58 U6.B60 | length 2880.8
  L1 w10: 1019.72,797.01 J12.60@1058.74,797.01 ; 1019.72,812.76 J12.58@1058.74,812.76 ; 1019.72,828.5 J12.56@1058.74,828.5 ; 1019.72,844.25 J12.54@1058.74,844.25 ; 1019.72,860 J12.52@1058.74,860
  L1 w20: v1(2920,1296.61) C4.2@2885,1296.61 2879.69,1301.92 C5.1@2879.69,1355 2882.85,1358.17 FB1.1@2920,1358.17
  L4 w40: v1(965,830) 977.5,817.5 1005,790 ; v1(995,780) 1090,780 1180,690 1396.57,690 1498,791.43 1498,1078 1770,1350 2052.5,1350 2132.5,1430 2550.81,1430 2575.3,1405.52 2811.09,1405.52 v1(2920,1296.61)
  other v1: 935,780 965,780 935,805 965,805 995,805 935,830 995,830 935,855 965,855 995,855 935,880 965,880 995,880
5VA: C3.1 C6.2 C7.1 C17.1 FB1.2 U1.4 U3.4 | length 336.8
  L1 w10: U3.4@2446.14,1660 2489.09,1660 C17.1@2495,1654.09 2497.94,1657.04 2497.94,1680.42 v1(2500.24,1682.71) ; U1.4@2836.14,1660 2899.69,1660 C3.1@2900,1659.69 2900,1680 v1(2910,1690)
  L1 w20: C7.1@2882.03,1398.52 FB1.2@2920,1398.52 v1(2920,1516.81)
A1: J1.1 J2.1 U1.3 | length 536.8
  L1 w6: U1.3@2836.14,1634.41 2879.41,1634.41 2885,1640 2912.73,1640 2930,1657.27 2930,1746.72 2880,1796.72 J2.1@2880,1880
  L1 w20: J2.1@2880,1880 J1.1@2880,2070
A2: J1.2 J2.2 U1.5 | length 489.3
  L1 w6: J2.2@2780,1880 2780,1825 2820,1785 2850,1785 2885,1750 2885,1695 2875,1685 2836.73,1685 U1.5@2836.14,1685.59
  L1 w20: J2.2@2780,1880 J1.2@2780,2070
A3: J1.3 J2.3 U1.10 | length 494.2
  L1 w6: U1.10@2603.86,1685.59 2569.41,1685.59 2560,1695 2560,1742.06 2602.94,1785 2640,1785 2680,1825 J2.3@2680,1880
  L1 w20: J2.3@2680,1880 J1.3@2680,2070
A4: J1.4 J2.4 U1.12 | length 501.7
  L1 w6: J2.4@2580,1880 2580,1810 2546.26,1776.26 2546.26,1643.74 2555.59,1634.41 U1.12@2603.86,1634.41
  L1 w20: J2.4@2580,1880 J1.4@2580,2070
A5: J1.5 J2.5 U3.3 | length 521
  L1 w6: U3.3@2446.14,1634.41 2509.41,1634.41 2521.42,1646.42 2521.42,1768.58 2480,1810 J2.5@2480,1880
  L1 w20: J2.5@2480,1880 J1.5@2480,2070
A6: J1.6 J2.6 U3.5 | length 494.2
  L1 w6: J2.6@2380,1880 2380,1820 2410,1790 2460,1790 2490,1760 2490,1700.76 2480.69,1691.45 2452,1691.45 U3.5@2446.14,1685.59
  L1 w20: J2.6@2380,1880 J1.6@2380,2070
A7: J1.7 J2.7 U3.10 | length 483.5
  L1 w6: U3.10@2213.86,1685.59 2179.41,1685.59 2175,1690 2175,1755 2201,1781 2234,1781 2280,1827 J2.7@2280,1880
  L1 w20: J2.7@2280,1880 J1.7@2280,2070
A8: J1.8 J2.8 U3.12 | length 485.7
  L1 w6: J2.8@2180,1880 2180,1817 2160,1797 2160,1655 2180.59,1634.41 U3.12@2213.86,1634.41
  L1 w20: J2.8@2180,1880 J1.8@2180,2070
E1: J8.1 J9.1 U2.14 | length 569.9
  L1 w12: J9.1@950,170 950,180 1028,258 1251.86,258 1274.75,280.89 U2.14@1274.75,284.27
  L1 w20: J8.1@950,-20 J9.1@950,170
E2: J8.2 J9.2 U2.15 | length 492.7
  L1 w12: J9.2@1050,170 1050,175.13 1073.31,198.44 1078.44,198.44 1120,240 1259.45,240 1296.54,277.09 1296.68,277.09 1300.34,280.75 U2.15@1300.34,284.27
  L1 w20: J8.2@1050,-20 J9.2@1050,170
E3: J8.3 J9.3 U2.16 | length 443.8
  L1 w12: J9.3@1150,175.13 1177.64,202.77 1179.9,202.77 1199.13,222 1267.04,222 1325.93,280.89 1325.93,309.67 U2.16@1326.02,309.76
  L1 w20: J8.3@1150,-20 J9.3@1150,175.13
E4: J8.4 J9.4 U2.17 | length 371.9
  L1 w12: J9.4@1250,179.5 1336.76,266.27 1336.9,266.27 1343.93,273.3 1351.61,280.98 U2.17@1351.61,309.76
  L1 w20: J8.4@1250,-20 J9.4@1250,179.5
E5: J8.5 J9.5 U2.18 | length 341
  L1 w12: J9.5@1350,170 1350,230.24 1377.2,257.44 U2.18@1377.2,309.76
  L1 w20: J8.5@1350,-20 J9.5@1350,170
E6: J8.6 J9.6 U2.19 | length 349.3
  L1 w12: U2.19@1402.8,309.76 1402.8,227.2 1450,180 J9.6@1450,170
  L1 w20: J8.6@1450,-20 J9.6@1450,170
E7: J8.7 J9.7 U2.20 | length 392.2
  L1 w12: U2.20@1428.39,309.76 1428.48,309.67 1428.48,280.89 1473.5,235.87 1494.13,235.87 1550,180 J9.7@1550,170
  L1 w20: J8.7@1550,-20 J9.7@1550,170
E8: J8.8 J9.8 U2.21 | length 463.8
  L1 w12: U2.21@1453.98,309.76 1454.07,309.67 1454.07,280.89 1479.96,255 1565,255 1621.56,198.44 1626.69,198.44 1650,175.13 J9.8@1650,170
  L1 w20: J8.8@1650,-20 J9.8@1650,170
ESTOP_IN: J12.30 U6.B30 U8.5 | length 925.7
  L1 w6: v1(1010,1000) 1041.87,1031.87 1058.37,1031.87 J12.30@1059.37,1032.87 ; v1@1250,1570 v1(1245,1570) U8.5@1347.17,1570
  L4 w6: v1(1010,1000) 986.72,1000 920,1066.72 920,1242.34 1079.89,1402.23 1079.89,1404.89 v1(1245,1570)
F1: J10.1 J11.1 U4.14 | length 512.8
  L1 w12: J11.1@1980,170 1998.44,188.44 1998.44,208.44 2050,260 2200,260 2209.75,269.75 2209.75,309.67 U4.14@2209.84,309.76
  L1 w20: J10.1@1980,-20 J11.1@1980,170
F2: J10.2 J11.2 U4.15 | length 435.4
  L1 w12: J11.2@2080,170 2080,184.87 2103.83,208.71 2103.83,208.83 2135,240 2205.46,240 2235.34,269.88 2235.34,309.67 U4.15@2235.43,309.76
  L1 w20: J10.2@2080,-20 J11.2@2080,170
F3: J10.3 J11.3 U4.16 | length 363.3
  L1 w12: J11.3@2180,170 2180,179.24 2261.02,260.27 U4.16@2261.02,309.76
  L1 w20: J10.3@2180,-20 J11.3@2180,170
F4: J10.4 J11.4 U4.17 | length 332.5
  L1 w12: J11.4@2280,170 2286.52,176.52 2286.52,309.67 U4.17@2286.61,309.76
  L1 w20: J10.4@2280,-20 J11.4@2280,170
F5: J10.5 J11.5 U4.18 | length 357.8
  L1 w12: U4.18@2312.2,309.76 2312.2,247.8 2380,180 J11.5@2380,170
  L1 w20: J10.5@2380,-20 J11.5@2380,170
F6: J10.6 J11.6 U4.19 | length 423.8
  L1 w12: U4.19@2337.8,309.76 2337.8,262.2 2369.73,230.27 2429.73,230.27 2480,180 J11.6@2480,170
  L1 w20: J10.6@2480,-20 J11.6@2480,170
F7: J10.7 J11.7 U4.20 | length 461.7
  L1 w12: U4.20@2363.48,284.27 2363.48,280.89 2396.1,248.27 2511.73,248.27 2580,180 J11.7@2580,170
  L1 w20: J10.7@2580,-20 J11.7@2580,170
F8: J10.8 J11.8 U4.21 | length 561.7
  L1 w12: U4.21@2388.98,309.76 2388.98,280.85 2403.56,266.27 2593.73,266.27 2680,180 J11.8@2680,170
  L1 w20: J10.8@2680,-20 J11.8@2680,170